# KiCad board A64-OlinuXino_Rev_G.kicad_pcb (continued)
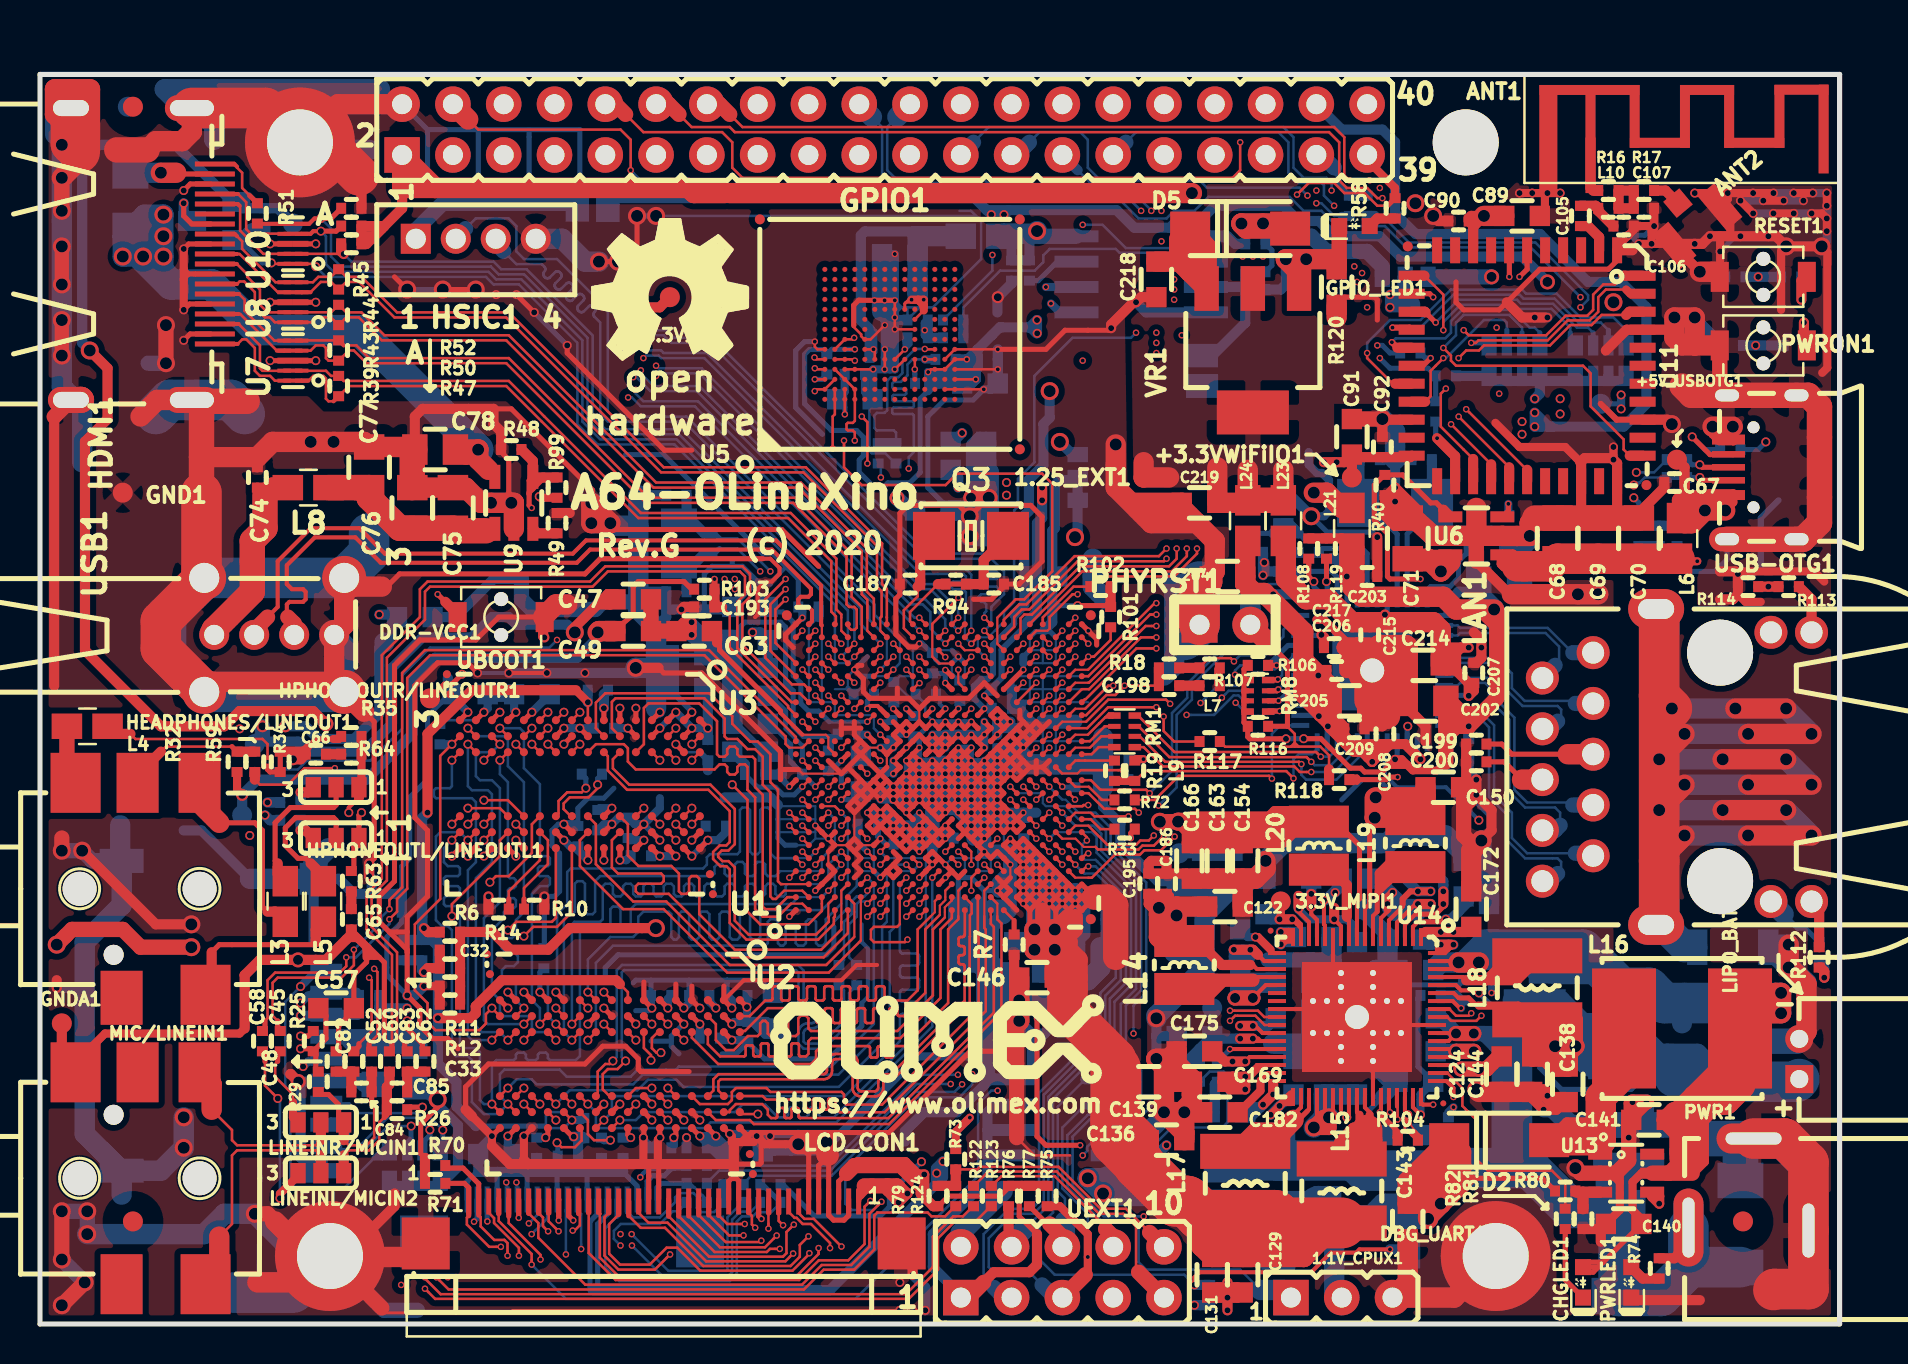
[diagram p0: board, top side]
## Routing (per net, layer and track width the routed paths; a pad name or vN(x,y) marks a point on that pad's centre or on a via; arc(x,y) is an arc through that point) (continued)
  Bottom w0.127: v4(30.81,47.93) 30.94,47.8 33.1,47.8 43.89,37.01 44.65,37.01 45.92,35.74 v4(45.92,35.33) ; v4(23.83,7.08) 23.86,7.05 MIPI-DSI1.6
/Power Supply, Extensions and MiPi-DSI/DSI-D0N: length 113
  Top w0.127: U1.T23 v4(47.22,35.33)
  In2.Cu w0.127: v4(24.45,5.03) 24.27,4.86 22.81,4.86 22.48,4.52 20.19,4.52 16.43,8.29 9.24,8.29 8.36,9.17 8.36,13.49 4.93,16.92 4.93,24.69 2.77,26.85 2.77,40.84 4.78,42.85 15.21,42.85 18.87,46.51 25.2,46.51 28.02,49.33 v4(29.67,49.33)
  Bottom w0.127: v4(24.45,5.03) 24.86,5.45 MIPI-DSI1.8 ; v4(29.67,49.33) 29.79,49.45 31.19,49.45 31.57,49.07 33.48,49.07 44.27,38.28 47.19,38.28 47.32,38.15 47.32,37.77 47.45,37.64 47.83,37.64 47.96,37.52 47.96,37.39 47.83,37.26 47.07,37.26 46.94,37.13 46.94,37.01 47.07,36.88 47.83,36.88 47.96,36.75 47.96,36.63 47.83,36.5 47.07,36.5 46.94,36.37 46.94,36.25 47.07,36.12 47.19,36.12 47.32,35.99 47.32,35.65 47.22,35.56 v4(47.22,35.33)
/Power Supply, Extensions and MiPi-DSI/DSI-D0P: length 113.2
  Top w0.127: U1.T22 v4(47.22,34.67)
  In2.Cu w0.127: v4(24.59,4.5) 24.46,4.62 22.91,4.62 22.58,4.29 20.09,4.29 16.33,8.05 9.07,8.05 8.08,9.04 8.08,13.36 4.65,16.79 4.65,24.56 2.49,26.72 2.49,40.95 4.67,43.13 15.09,43.13 18.75,46.79 25.09,46.79 28.14,49.84 v4(29.67,49.84)
  Bottom w0.127: v4(47.22,34.67) 47.57,35.02 47.57,35.86 48.21,36.5 48.21,37.64 47.32,38.53 44.4,38.53 33.6,49.33 31.7,49.33 31.32,49.71 29.79,49.71 v4(29.67,49.84) ; MIPI-DSI1.9 25.36,5.27 v4(24.59,4.5)
/Power Supply, Extensions and MiPi-DSI/DSI-D1N: length 104.4
  Top w0.127: v4(46.57,34.03) U1.R22
  In2.Cu w0.127: v4(30.18,48.31) 28.4,48.31 25.7,45.62 19.25,45.62 15.6,41.96 5.28,41.96 3.66,40.34 3.66,27.38 5.82,25.22 5.82,17.32 9.12,14.02 9.12,9.55 9.75,8.92 16.56,8.92 20.35,5.13 21.67,5.13
  Bottom w0.107: 46.25,34.35 46.25,35.65
  Bottom w0.127: 46.25,35.65 46.3,35.7 46.3,36.6 46.15,36.75 45.67,36.75 45.54,36.88 45.54,37.01 45.67,37.13 46.18,37.13 46.3,37.26 46.3,37.39 46.18,37.52 44.02,37.52 33.22,48.31 31.06,48.31 30.94,48.44 30.3,48.44 v4(30.18,48.31) ; v4(46.57,34.03) 46.25,34.35
  Bottom w0.254: MIPI-DSI1.2 21.86,5.27 v4(21.71,5.12)
/Power Supply, Extensions and MiPi-DSI/DSI-D1P: length 104.6
  Top w0.127: U1.P22 v4(46.57,34.67)
  In2.Cu w0.127: v4(30.18,48.82) 28.52,48.82 25.6,45.9 19.13,45.9 15.47,42.24 5.18,42.24 3.38,40.44 3.38,27.23 5.54,25.07 5.54,17.2 8.84,13.89 8.84,9.42 9.58,8.69 16.46,8.69 20.38,4.77 22.01,4.77 v4(22.37,5.13)
  Bottom w0.127: v4(30.18,48.82) 30.3,48.69 31.06,48.69 31.19,48.56 33.35,48.56 44.14,37.77 46.28,37.77 46.57,37.48 v4(46.57,34.67)
  Bottom w0.254: MIPI-DSI1.3 22.36,5.14 v4(22.37,5.13)
/Power Supply, Extensions and MiPi-DSI/DSI-D2N: length 108.3
  Top w0.127: v4(45.27,34.03) 45.28,34.03 U1.N22
  In1.Cu w0.203: v4(29.03,4.5) 30.02,5.48 v4(30.02,7.34)
  In2.Cu w0.127: v4(29.67,47.36) 28.87,47.36 26.24,44.73 19.63,44.73 15.98,41.07 5.79,41.07 4.55,39.83 4.55,27.99 6.71,25.83 6.71,17.83 9.86,14.68 9.86,10.21 10.51,9.56 16.68,9.56 20.24,6 28.48,6 29.03,5.45 v4(29.03,4.5)
  Bottom w0.127: v4(45.27,34.03) 44.53,34.78 44.53,35.61 44.15,35.99 43.51,35.99 32.84,46.66 30.52,46.66 29.83,47.36 v4(29.67,47.36)
  Bottom w0.203: v4(30.02,7.34) 30.02,7.39 R126.2
/Power Supply, Extensions and MiPi-DSI/DSI-D2P: length 110.3
  Top w0.127: U1.M22 45.27,34.67 v4(45.27,34.68)
  In2.Cu w0.127: v4(29.03,3.92) 28.68,4.27 28.68,5.47 28.38,5.77 20.14,5.77 16.59,9.32 10.36,9.32 9.58,10.11 9.58,14.55 6.43,17.7 6.43,25.7 4.27,27.86 4.27,39.93 5.69,41.35 15.85,41.35 19.51,45.01 26.11,45.01 28.8,47.7 v4(30.05,47.7)
  Bottom w0.127: v4(45.27,34.68) 45.27,35.25 44.27,36.25 43.64,36.25 32.97,46.91 30.68,46.91 30.05,47.55 v4(30.05,47.7) ; v4(29.03,3.92) 28.7,4.26 28.7,4.66 29.05,5 31.01,5 31.64,5.64 31.91,5.64 32.33,6.06 R130.1
/Power Supply, Extensions and MiPi-DSI/DSI-D3N: length 110.7
  Top w0.127: v4(43.97,34.67) 43.97,34.67 U1.L22
  In2.Cu w0.127: v4(29.6,3.92) 29.92,4.24 29.92,5.33 28.79,6.47 20.59,6.47 16.87,10.19 11.08,10.19 10.62,10.66 10.62,15.44 9.5,16.56 9.5,22.28 7.57,24.21 7.57,26.49 5.44,28.63 5.44,39.32 6.3,40.18 16.33,40.18 18.87,42.72 22.71,42.72 23.83,43.84 26.91,43.84 v4(29.41,46.34)
  Bottom w0.127: v4(29.41,46.34) 29.6,46.34 30.05,45.9 32.75,45.9 v4(43.97,34.67) ; R129.1 35.55,5.62 35.01,5.62 34.61,5.22 34.61,2.6 34.44,2.42 31.11,2.42 v4(29.6,3.92)
/Power Supply, Extensions and MiPi-DSI/DSI-D3P: length 109.8
  Top w0.127: v4(43.97,35.33) 43.97,35.33 U1.L23
  In2.Cu w0.127: v4(29.79,46.72) 29.12,46.72 26.52,44.12 23.7,44.12 22.58,43 18.75,43 16.2,40.46 6.2,40.46 5.16,39.42 5.16,28.5 7.31,26.34 7.31,24.05 9.22,22.15 9.22,16.43 10.34,15.32 10.34,10.54 10.92,9.96 16.77,9.96 20.49,6.23 28.69,6.23 29.59,5.34 v4(29.59,4.5)
  Bottom w0.127: 35.19,6.02 R125.2 35.13,6.08 34.38,5.34 34.38,2.69 34.35,2.66 31.42,2.66 v4(29.59,4.5) ; v4(43.97,35.33) 43.74,35.33 32.91,46.15 30.18,46.15 29.79,46.53 v4(29.79,46.72)
/Power Supply, Extensions and MiPi-DSI/MIPI-DSI-BKL: length 32.7
  Top w0.127: U1.W8 v4(49.82,24.92)
  In2.Cu w0.107: 50.15,24.6 50.15,20.7
  In2.Cu w0.127: v4(49.82,24.92) 50.15,24.6 ; v4(45.54,12) 45.54,12.7 46.14,13.3 47.99,13.3 49.35,14.66 49.99,14.66 50.24,14.91 50.24,17.2 51.51,18.47 51.51,19.99 51.13,20.37 50.48,20.37 50.15,20.7
  Bottom w0.127: v4(45.54,12) 43.85,12 39.52,7.67 33.96,7.67 33.35,7.06 R132.1
/Power Supply, Extensions and MiPi-DSI/MIPI-DSI-EN: length 30.7
  Top w0.127: U1.Y6 v4(50.47,23.62)
  In2.Cu w0.107: 50.47,22.81 50.8,22.48 50.8,20.7
  In2.Cu w0.127: v4(50.47,23.62) 50.47,22.81 ; 50.8,20.7 50.88,20.62 51.26,20.62 51.76,20.12 51.76,18.34 50.5,17.07 50.5,14.78 50.11,14.4 49.48,14.4 48.14,13.06 46.24,13.06 45.91,12.73 v4(45.91,12.46)
  Bottom w0.127: v4(45.91,12.46) 43.98,12.46 39.44,7.92 R128.2
/Power Supply, Extensions and MiPi-DSI/MIPI-DSI-RST: length 29.6
  Top w0.127: U1.AA6 v4(51.12,23.62)
  In2.Cu w0.107: 51.45,20.81 51.45,22.17 50.8,22.82 50.8,23.3
  In2.Cu w0.127: v4(51.12,23.62) 50.8,23.3 ; v4(46.11,11.99) 46.28,12.15 46.28,12.71 46.4,12.83 48.29,12.83 49.61,14.15 50.24,14.15 50.75,14.66 50.75,16.94 52.02,18.21 52.02,20.24 51.45,20.81
  Bottom w0.127: 35.19,7.04 35.57,7.42 39.59,7.42 43.78,11.61 45.73,11.61 v4(46.11,11.99)
/Power Supply, Extensions and MiPi-DSI/PB0: length 95.9
  Top w0.127: 29.29,60.5 30.18,59.61 34.11,59.61 34.62,59.11 34.62,57.84 35.13,57.33 59.64,57.33 60.02,57.71 v4(60.02,59.11) ; U1.V9 v4(48.53,26.22)
  Top w0.762: GPIO1.10 28.78,61.01 29.29,60.5
  In3.Cu w0.107: 51.44,25.9 U1.V9
  In3.Cu w0.127: v4(60.02,59.11) 60.78,59.87 64.59,59.87 65.23,59.23 65.23,57.96 66.24,56.95 66.24,54.41 68.53,52.12 69.78,52.12 72.21,49.69 72.21,47.17 72.09,47.04 72.09,45.52 70.18,43.61 67.27,43.61 64.44,40.78 64.44,39.24 62.79,37.59 62.79,35.84 62.1,35.15 62.1,34.68 60.51,33.09 60.51,29.1 58.99,27.58 54.86,27.58 52.79,25.51 51.83,25.51 51.44,25.9 ; v4(48.53,26.22) U1.V9
/Power Supply, Extensions and MiPi-DSI/PB1: length 91.6
  Top w0.107: 52.43,24.92 51.78,24.92
  Top w0.127: v4(55.7,24.44) 55.45,24.18 55.03,24.18 54.81,23.97 53.38,23.97 52.43,24.92 ; v4(67.13,56.31) 66.88,56.31 66.37,56.82 65.35,56.82 64.97,57.2 64.97,59.11 64.47,59.61 34.75,59.61 34.49,59.87 32.59,59.87 31.95,60.5 ; U1.AB7 51.78,24.92
  Top w0.762: 31.95,60.5 31.44,61.01 GPIO1.12
  In3.Cu w0.127: v4(67.13,56.31) 67.13,54.64 68.89,52.88 70.18,52.88 72.47,50.6 73.23,50.6 73.61,50.22 73.61,45.26 70.69,42.34 67.65,42.34 65.61,40.3 65.61,38.28 66.12,37.77 66.12,37.11 63.53,34.53 63.53,31.05 61.91,29.43 61.91,28.42 57.29,23.8 56.34,23.8 v4(55.7,24.44)
/Power Supply, Extensions and MiPi-DSI/PB2: length 85.6
  Top w0.127: v4(65.48,57.2) 65.23,57.45 65.23,59.36 64.72,59.87 35.13,59.87 34.49,60.5 ; U1.W10 v4(49.18,26.88)
  Top w0.762: 34.49,60.5 33.99,61.01 GPIO1.14
  In3.Cu w0.107: U1.W10 51.6,26.55 51.6,26.56 52.74,26.56 52.75,26.55
  In3.Cu w0.127: v4(49.18,26.88) U1.W10 ; v4(65.48,57.2) 65.99,56.69 65.99,54.28 68.4,51.87 69.67,51.87 71.96,49.58 71.96,47.3 71.83,47.17 71.83,45.64 70.05,43.87 67.2,43.87 64.21,40.88 64.21,39.35 62.56,37.71 62.56,35.94 61.86,35.24 61.86,34.77 60.27,33.19 60.27,29.2 58.89,27.82 54.76,27.82 53.49,26.55 52.75,26.55
/Power Supply, Extensions and MiPi-DSI/PB3: length 86.5
  Top w0.107: 52.78,23.86 52.2,23.86 51.79,24.28 51.12,24.28
  Top w0.127: U1.AA7 51.12,24.28 ; 52.78,23.86 52.91,23.73 54.94,23.73 55.13,23.93 55.71,23.93 v4(56.21,24.43)
  In2.Cu w0.127: 36.53,60.38 37.29,59.61 61.93,59.61 62.43,59.11 62.43,57.77 63.07,57.14 64.78,57.14 65.1,56.82 v4(67,56.82)
  In2.Cu w1.016: GPIO1.16 36.53,60.38
  In3.Cu w0.127: v4(67,56.82) 66.75,56.57 66.75,54.66 68.78,52.63 70.05,52.63 72.34,50.34 73.1,50.34 73.36,50.09 73.36,46.56 73.36,45.34 70.61,42.6 67.58,42.6 65.37,40.39 65.37,38.13 65.86,37.64 65.86,37.21 63.3,34.65 63.3,31.15 61.68,29.52 61.68,28.52 57.21,24.05 56.6,24.05 v4(56.21,24.43)
/Power Supply, Extensions and MiPi-DSI/PB4: length 82
  Top w0.127: U1.W7 v4(49.82,24.28)
  In2.Cu w0.127: 39.19,60.25 39.57,59.87 62.18,59.87 62.69,59.36 62.69,57.85 63.14,57.39 65.04,57.39 65.23,57.58 65.61,57.58 65.99,57.2 v4(66.5,57.2)
  In2.Cu w0.762: GPIO1.18 39.19,60.25
  In3.Cu w0.107: 51.45,25.25 50.8,25.25
  In3.Cu w0.127: v4(49.82,24.28) 50.8,25.25 ; v4(66.5,57.2) 66.5,54.53 68.66,52.37 69.9,52.37 72.45,49.82 72.45,47.03 72.34,46.91 72.34,45.39 70.31,43.36 67.35,43.36 64.67,40.68 64.67,39.12 63.03,37.48 63.03,35.75 62.33,35.05 62.33,34.58 60.74,32.99 60.74,29 59.09,27.35 54.95,27.35 52.86,25.25 51.45,25.25
/Power Supply, Extensions and MiPi-DSI/PE0: length 73
  Top w0.127: U1.AA18 v4(51.12,32.08)
  In2.Cu w0.127: v4(66.37,50.85) 56.46,50.85 53.8,53.52 48.07,53.52 46.29,55.3 38.68,55.3 37.92,56.06 33.86,56.06 33.35,56.57 31.7,56.57 31.32,56.95 24.71,56.95 23.83,57.84
  In2.Cu w1.016: 23.83,57.84 GPIO1.5
  In3.Cu w0.127: v4(51.12,32.08) 52.99,32.08 54.69,33.77 54.69,36.4 55.7,37.41 55.7,39.68 66.37,50.34 v4(66.37,50.85)
/Power Supply, Extensions and MiPi-DSI/PE1: length 61
  Top w0.127: U1.AB23 v4(51.78,35.33)
  In2.Cu w0.127: 26.49,57.71 27,57.2 31.57,57.2 31.95,56.82 33.48,56.82 33.99,56.31 38.05,56.31 38.81,55.55 46.37,55.55 48.17,53.75 53.89,53.75 54.89,52.76 60.53,52.76 v4(61.16,53.39)
  In2.Cu w1.016: 26.36,57.84 26.49,57.71 GPIO1.7
  In3.Cu w0.127: v4(61.16,53.39) 61.16,48.82 53.16,40.82 53.16,38.66 52.15,37.64 52.15,37.26 51.38,36.5 51.38,35.72 v4(51.78,35.33)
/Power Supply, Extensions and MiPi-DSI/PE2: length 59.2
  Top w0.127: U1.AA22 v4(51.12,34.67)
  In2.Cu w0.127: v4(60.15,53.39) 59.64,53.39 59.51,53.26 55.08,53.26 52.28,56.06 39.06,56.06 38.3,56.82 34.37,56.82 33.86,57.33 32.59,57.33 32.08,57.84 32.08,58.98 31.44,59.61 29.41,59.61
  In2.Cu w0.762: GPIO1.9 29.41,59.61
  In3.Cu w0.127: v4(51.12,34.67) 50.88,34.92 50.88,36.65 51.64,37.41 51.64,37.9 52.65,38.91 52.65,41.07 60.66,49.07 60.66,52.88 v4(60.15,53.39)
/Power Supply, Extensions and MiPi-DSI/PE3: length 56.5
  Top w0.127: U1.AA21 v4(51.12,34.03)
  In2.Cu w0.127: 31.57,57.71 32.21,57.07 33.6,57.07 34.11,56.57 38.18,56.57 38.94,55.8 46.44,55.8 48.26,53.99 53.99,53.99 54.97,53.01 60.27,53.01 v4(60.66,53.39)
  In2.Cu w0.508: GPIO1.11 31.57,57.71
  In3.Cu w0.107: 51.45,34.35 51.45,35
  In3.Cu w0.127: v4(51.12,34.03) 51.45,34.35 ; 51.45,35 51.13,35.32 51.13,36.58 51.89,37.34 51.89,37.77 52.91,38.79 52.91,40.95 60.91,48.95 60.91,53.14 v4(60.66,53.39)
/Power Supply, Extensions and MiPi-DSI/PE4: length 62.5
  Top w0.127: U1.AA19 v4(51.12,32.72)
  In2.Cu w0.127: 34.37,57.84 35.13,57.07 38.43,57.07 39.19,56.31 52.36,56.31 55.16,53.52 59.44,53.52 59.82,53.9 63.7,53.9 65.48,52.12 v4(65.86,52.12)
  In2.Cu w0.762: 34.37,57.84 33.73,58.47 GPIO1.13
  In3.Cu w0.127: v4(65.86,52.12) 65.74,51.99 65.74,50.5 55.19,39.95 55.19,37.64 54.18,36.63 54.18,33.98 52.92,32.72 v4(51.12,32.72)
/Power Supply, Extensions and MiPi-DSI/PE5: length 62.7
  Top w0.127: v4(49.82,31.42) U1.W17
  In2.Cu w0.127: v4(66.12,52.57) 65.42,52.57 63.83,54.15 59.74,54.15 59.36,53.77 55.23,53.77 52.44,56.57 39.32,56.57 38.56,57.33 37.41,57.33 36.91,57.84
  In2.Cu w0.762: 36.91,57.84 36.27,58.47 GPIO1.15
  In3.Cu w0.107: 50.8,32.4 51.45,32.4
  In3.Cu w0.127: v4(49.82,31.42) 50.8,32.4 ; 51.45,32.4 52.96,32.4 54.43,33.88 54.43,36.5 55.45,37.52 55.45,39.85 65.99,50.39 65.99,51.19 66.24,51.44 66.24,52.44 v4(66.12,52.57)
/Power Supply, Extensions and MiPi-DSI/PE6: length 43.8
  Top w0.127: v4(49.82,33.38) U1.W20
  In2.Cu w0.127: 39.32,57.58 40.08,56.82 52.51,56.82 55.18,54.15 v4(56.08,54.15)
  In2.Cu w0.762: GPIO1.17 39.32,57.58
  In3.Cu w0.107: 50.15,33.7 50.15,34.47
  In3.Cu w0.127: 50.15,34.47 50.11,34.5 50.11,37.01 50.88,37.77 50.88,39.8 51.89,40.82 51.89,41.47 53.14,42.72 53.14,44.74 56.46,48.06 56.46,50.85 56.08,51.23 56.08,51.61 55.83,51.87 55.83,53.9 v4(56.08,54.15) ; v4(49.82,33.38) 50.15,33.7
/Power Supply, Extensions and MiPi-DSI/PE7: length 55.3
  Top w0.127: U1.Y19 v4(50.47,32.72)
  In2.Cu w0.127: v4(65.73,52.9) 65.48,52.9 63.98,54.41 56.46,54.41 56.27,54.6 55.07,54.6 52.59,57.07 42.37,57.07 41.73,57.71
  In2.Cu w0.762: 41.73,57.71 GPIO1.19
  In3.Cu w0.107: 50.8,33.05 52.2,33.05
  In3.Cu w0.127: 52.2,33.05 52.26,32.99 52.83,32.99 53.92,34.09 53.92,36.75 54.94,37.77 54.94,40.06 65.48,50.6 65.48,52.65 v4(65.73,52.9) ; v4(50.47,32.72) 50.8,33.05
/Power Supply, Extensions and MiPi-DSI/PE8: length 49.8
  Top w0.127: v4(52.43,34.03) U1.AC22
  In2.Cu w0.127: 44.27,57.71 44.65,57.33 62.53,57.33 62.97,56.88 63.64,56.88 v4(63.83,56.69)
  In2.Cu w0.762: GPIO1.21 44.27,57.71
  In3.Cu w0.127: v4(52.43,34.03) 52.7,34.03 53.16,34.49 53.16,37.14 54.18,38.15 54.18,40.38 64.72,50.92 64.72,55.17 64.34,55.55 64.34,56.06 63.83,56.57 v4(63.83,56.69)
/Power Supply, Extensions and MiPi-DSI/PE9: length 56.4
  Top w0.127: U1.Y17 v4(50.47,31.42)
  In3.Cu w0.107: 50.83,31.75 51.29,31.75
  In3.Cu w0.127: 51.29,31.75 53,31.75 54.94,33.69 54.94,36.32 55.96,37.34 55.96,39.55 66.75,50.34 66.75,51.1 66.5,51.36 66.5,53.01 65.48,54.03 65.48,56.19 64.97,56.69 v4(64.59,56.69) ; 50.83,31.75 50.8,31.75 v4(50.47,31.42)
  Bottom w0.127: v4(64.59,56.69) 64.59,57.07 64.34,57.33 63.19,57.33 62.69,57.84 62.69,59.36 62.18,59.87 47.45,59.87 46.69,59.11
  Bottom w0.762: GPIO1.23 46.69,59.11
/Power Supply, Extensions and MiPi-DSI/PE10: length 45.1
  Top w0.127: U1.AB22 v4(51.78,34.67)
  In3.Cu w0.127: v4(63.39,56.44) 63.39,55.74 64.21,54.91 64.21,51.13 53.67,40.59 53.67,38.43 52.65,37.41 52.65,35.55 v4(51.78,34.67)
  Bottom w0.127: 49.48,59.11 49.99,59.61 52.02,59.61 52.4,59.23 52.4,57.84 53.03,57.2 57.99,57.2 58.35,56.84 62.99,56.84 v4(63.39,56.44)
  Bottom w0.762: GPIO1.25 48.84,58.47 49.48,59.11
/Power Supply, Extensions and MiPi-DSI/PE11: length 31.3
  Top w0.127: U1.W21 v4(49.82,34.03)
  In3.Cu w0.127: v4(49.82,34.03) 49.82,37.1 50.62,37.9 50.62,39.89 51.64,40.91 51.64,41.57 52.91,42.84 52.91,44.91 56.21,48.21 56.21,50.72 55.83,51.1 55.83,51.49 55.58,51.74 55.58,55.17 v4(56.08,55.68)
  Bottom w0.127: 51.89,57.71 52.72,56.88 54.88,56.88 v4(56.08,55.68)
  Bottom w0.508: 51.89,57.71 GPIO1.27
/Power Supply, Extensions and MiPi-DSI/PE12: length 43.2
  Top w0.127: v4(51.78,33.38) U1.AB20
  In3.Cu w0.107: 52.1,33.7 52.78,33.7
  In3.Cu w0.127: v4(64.72,55.93) 64.72,55.55 64.97,55.3 64.97,50.81 54.43,40.27 54.43,38.02 53.42,37.01 53.42,34.34 52.78,33.7 ; v4(51.78,33.38) 52.1,33.7
  Bottom w0.127: v4(64.72,55.93) 64.21,56.44 64.21,56.95 64.08,57.07 62.94,57.07 62.43,57.58 62.43,59.11 61.93,59.61 54.81,59.61 54.31,59.11
  Bottom w0.762: GPIO1.29 54.31,59.11
/Power Supply, Extensions and MiPi-DSI/PE13: length 29.5
  Top w0.127: v4(50.47,34.03) U1.Y22
  In3.Cu w0.127: 57.1,57.84 57.48,57.45 57.81,57.45 58.37,56.9 58.37,56.31 57.23,55.17 57.23,53.52 57.1,53.39 57.1,51.1 56.72,50.72 56.72,45.9 52.15,41.33 52.15,40.68 51.13,39.67 51.13,37.64 50.37,36.88 50.37,34.7 50.47,34.59 v4(50.47,34.03)
  In3.Cu w0.762: GPIO1.31 56.46,58.47 57.1,57.84
/Power Supply, Extensions and MiPi-DSI/PE14: length 38.5
  Top w0.127: R101.1 53.54,34.21 52.7,33.38 v4(52.43,33.38) U1.AC20
  In3.Cu w0.127: 65.23,50.71 65.23,50.71 ; 65.23,50.71 65.23,56.06 64.97,56.31 64.47,56.31 64.21,56.57 64.21,56.95 63.83,57.33 60.15,57.33 59.64,57.84 ; 65.23,50.71 54.69,40.16 54.69,37.9 53.67,36.88 53.67,34.21 52.83,33.38 v4(52.43,33.38)
  In3.Cu w0.762: GPIO1.33 59,58.47 59.64,57.84
/Power Supply, Extensions and MiPi-DSI/PE15: length 38.9
  Top w0.127: U1.Y23 50.15,35.34 51.69,36.88 R102.1 53.03,37.39 56.72,37.39 57.86,38.53 v4(57.86,38.79)
  In3.Cu w0.127: 62.05,59.23 62.43,59.61 64.47,59.61 64.97,59.11 64.97,57.07 65.74,56.31 65.74,54.15 66.75,53.14 66.75,51.49 67,51.23 67,50.22 57.86,41.07 v4(57.86,38.79)
  In3.Cu w0.762: GPIO1.35 62.05,59.23
/Power Supply, Extensions and MiPi-DSI/PE16: length 30.3
  Top w0.127: v4(51.78,34.03) U1.AB21
  In3.Cu w0.107: 52.1,34.35 52.66,34.35
  In3.Cu w0.127: v4(51.78,34.03) 52.1,34.35 ; 52.66,34.35 52.91,34.6 52.91,37.26 53.92,38.28 53.92,40.48 64.46,51.02 64.46,55.04 63.83,55.68 v4(63.83,56.06)
  Bottom w0.127: v4(63.83,56.06) 64.08,56.06 64.72,55.42 65.1,55.42
  Bottom w0.406: 65.48,55.42 65.1,55.42
/Power Supply, Extensions and MiPi-DSI/PE16\POWERON: length 3.6
  Bottom w0.254: R65.1 64.97,56.95 64.97,57.39 64.72,57.65
  Bottom w0.508: R28.1 R65.1
  Bottom w0.762: 64.72,57.84 64.08,58.47 GPIO1.37
/Power Supply, Extensions and MiPi-DSI/PE17\GPIO_LED: length 37.6
  Top w0.107: 50.5,34.79 50.38,34.67 49.82,34.67
  Top w0.127: v4(62.86,56.49) 63.45,57.07 64.72,57.07 65.23,56.57 66.24,56.57 66.88,55.93 67.39,55.93 ; v4(51.89,36.5) 51.64,36.5 50.5,35.36 50.5,34.79 ; U1.W22 49.82,34.67
  Top w0.254: 67.39,55.93 R58.1
  Top w0.406: R58.1 67.77,56.82 66.37,58.22 GPIO1.39
  In3.Cu w0.127: v4(51.89,36.5) 52.4,37.01 52.4,37.52 53.42,38.53 53.42,40.69 63.96,51.23 63.96,54.79 62.86,55.88 v4(62.86,56.49)
/Power Supply, Extensions and MiPi-DSI/UEXT-CLK: length 13.7
  Top w0.127: R122.1 46.71,6.91 47.43,7.63 50.84,7.63 52.96,5.51 54.18,5.51 54.81,4.88 54.81,2.72 54.94,2.59
  Top w0.762: 54.94,2.59 UEXT1.9
/Power Supply, Extensions and MiPi-DSI/UEXT-CS: length 13.8
  Top w0.127: R73.2 46.88,7.73 47,7.86 50.94,7.86 53.03,5.77 54.31,5.77 55.49,4.58
  Top w0.508: R79.2 R124.2 ; R73.2 45.8,6.97
  Top w0.762: UEXT1.10 55.49,4.58
/Power Supply, Extensions and MiPi-DSI/UEXT-MISO: length 152.3
  Top w0.762: UEXT1.7 53.67,1.7
  In2.Cu w0.127: v4(47.63,53.47) 46.06,55.04 34.62,55.04 31.93,52.35 27.54,52.35 23.73,48.54 17.39,48.54 14.68,45.83 12.71,45.83 11.74,44.86 3.79,44.86 0.97,42.04 0.97,25.83 3,23.8 3,20.88 1.6,19.48 1.6,9.45 5.92,5.13 8.71,5.13 10.26,6.68 15.85,6.68 17.98,4.55 17.98,2.53 17.73,2.27 17.73,1.51 18.17,1.07 19.95,1.07 21.22,2.34 26.43,2.34 26.68,2.08 30.49,2.08 30.62,2.21 41.78,2.21 42.65,1.34 43.54,1.34 44.69,2.48 52.51,2.48 52.97,2.02
  In2.Cu w0.762: UEXT1.7 52.97,2.02
  Bottom w0.127: v4(47.63,53.47) 47.63,52.68 R121.1
/Power Supply, Extensions and MiPi-DSI/UEXT-MOSI: length 8.1
  Top w0.127: 53.29,4.75 53.29,4.85 50.75,7.39 48.08,7.39 47.6,6.91 R123.2
  Top w0.762: 53.29,4.75 53.67,4.37 UEXT1.8
/S0SA0: length 49.6
  Top w0.127: v3(23,28.2) U3.N3 ; v3(25.8,14.2) U2.N3 ; U1.P5 v4(45.93,23.62)
  In3.Cu w0.107: 44.62,21.67 44.95,22 44.95,23.15 45.1,23.3 45.6,23.3
  In3.Cu w0.127: v3(25.8,14.2) 25.8,12.94 25.98,12.75 26.24,12.75 26.36,12.88 26.36,13.51 26.49,13.64 27.7,13.64 28.04,13.98 29.38,13.98 29.67,13.7 30,13.7 30.5,14.2 31.52,14.2 32.33,13.39 39.83,13.39 44.62,18.18 44.62,21.67 ; 45.6,23.3 v4(45.93,23.62)
  Bottom w0.127: v3(23,28.2) 23,27.5 23.4,27.1 23.4,22.4 23.5,22.3 23.7,22.3 23.8,22.2 23.8,21.9 23.7,21.8 23.5,21.8 23.4,21.7 23.4,21.4 23.5,21.3 23.7,21.3 23.8,21.2 23.8,20.9 23.7,20.8 23.4,20.8 23.2,20.6 23.2,20.3 22.6,19.7 22.6,16.6 23,16.2 23,15.6 23.2,15.4 24.4,15.4 24.6,15.2 24.6,14.8 24.8,14.6 U2.N3 v3(25.8,14.2)
/S0SA1: length 51
  Top w0.107: 46.57,22.33 v4(46.57,21.67)
  Top w0.127: U1.R4 46.57,22.33 ; v3(22.2,25) U3.P7 ; v3(25,11) U2.P7
  In3.Cu w0.127: v3(22.2,25) 21.8,25.4 20.4,25.4 20.2,25.2 20.2,20.1 20.6,19.7 20.6,13.6 23,11.2 23,10.8 23.2,10.6 24.6,10.6 v3(25,11) 25.4,11.4 38.6,11.4 39,11.8 39.4,11.8 39.85,11.35 40.2,11.35 46.57,17.72 v4(46.57,21.67)
/S0SA2: length 50.5
  Top w0.127: U1.N5 v4(45.93,22.97) ; v3(22.2,28.2) U3.P3 ; U2.P3 v3(24.2,14.2)
  In2.Cu w0.127: v3(22.2,28.2) 22.2,27.3 22.6,26.9 22.6,22.6 23,22.2 23,19.7 22.9,19.6 22.4,19.6 22.3,19.5 22.3,19.2 22.4,19.1 23.1,19.1 23.2,19 23.2,18.7 23.1,18.6 22.4,18.6 22.3,18.5 22.3,18.2 22.4,18.1 23.1,18.1 23.2,18 23.2,17.6 22.6,17 22.6,16.5 22.5,16.4 22.2,16.4 22.1,16.3 22.1,15.7 22.5,15.3 22.9,15.3 24,14.2 v3(24.2,14.2)
  In3.Cu w0.107: 45.6,22 45.6,22.65
  In3.Cu w0.127: v3(24.2,14.2) 24.2,13.4 25.25,12.37 29.54,12.37 29.92,12.75 31.47,12.75 31.72,13 40.08,13 45.6,18.52 45.6,22 ; 45.6,22.65 v4(45.93,22.97)
/S0SA3: length 49.4
  Top w0.127: U3.N2 v3(23,29.8) ; v4(45.28,23.62) U1.N6 ; v3(25,15) U2.N2
  In3.Cu w0.107: 44.3,23.3 44.3,20.05
  In3.Cu w0.127: 44.3,20.05 44.3,18.49 39.57,13.77 34.11,13.77 33.99,13.89 33.99,14.66 33.86,14.78 33.64,14.78 33.48,14.62 33.48,14.02 33.35,13.89 32.84,13.89 32.72,14.02 32.72,14.4 32.52,14.6 25.4,14.6 v3(25,15) ; 44.3,23.3 44.62,23.62 v4(45.28,23.62)
  Bottom w0.127: v3(23,29.8) 24,29.8 24.2,29.6 24.2,27.8 25,27 25,23.5 25.1,23.4 25.4,23.4 25.5,23.3 25.5,23 25.4,22.9 25,22.9 24.9,22.8 24.9,22.5 25,22.4 25.4,22.4 25.5,22.3 25.5,22 25.4,21.9 25,21.9 24.6,21.5 24.6,16.2 25,15.8 v3(25,15)
/S0SA4: length 50.7
  Top w0.107: 46.57,23.62 v4(46.57,22.97)
  Top w0.127: U3.P8 v3(22.2,24.2) ; U1.P6 46.57,23.62 ; v3(24.2,11) U2.P8
  In3.Cu w0.107: 46.25,21.03 46.25,22
  In3.Cu w0.127: 24.6,11.4 24.22,11 ; 24.6,11.4 24.88,11.68 29.87,11.68 30.43,12.24 40.59,12.24 46.25,17.9 46.25,21.03 ; 24.6,11.4 24.6,11.4 ; v3(22.2,24.2) 22.9,23.5 22.9,22.5 23,22.4 23.4,22.4 23.5,22.3 23.5,22 23.4,21.9 23,21.9 22.9,21.8 22.9,21.5 23,21.4 23.5,21.4 23.6,21.3 23.6,21 23.5,20.9 22.2,20.9 21.4,20.1 21.4,14 22.3,13.1 23.2,13.1 23.8,12.5 23.8,11.4 v3(24.2,11) ; 46.25,22 46.57,22.33 v4(46.57,22.97)
/S0SA5: length 49.2
  Top w0.127: U2.P2 v3(24.2,15) ; U3.P2 v3(23,29) ; v4(41.38,22.97) U1.G4
  In3.Cu w0.107: 41.05,22.65 41.05,20.07
  In3.Cu w0.127: 41.05,20.07 40.84,19.86 39.32,19.86 39.19,19.74 39.19,19.61 39.32,19.48 40.72,19.48 40.84,19.36 40.84,19.23 40.72,19.1 39.32,19.1 39.19,18.97 39.19,18.85 39.32,18.72 40.72,18.72 40.84,18.59 40.84,18.47 40.72,18.34 40.34,18.34 39.06,17.07 27.13,17.07 27,16.94 27,15.55 26.86,15.4 U2.P2 v3(24.2,15) ; v4(41.38,22.97) 41.05,22.65
  Bottom w0.127: v3(23,29) 22.6,28.6 22,28.6 21.8,28.4 21.8,27.4 22,27.2 22.6,27.2 23,26.8 23,21.1 22.2,20.3 22.2,15.2 22.4,15 v3(24.2,15)
/S0SA6: length 49.4
  Top w0.127: U1.F3 v4(41.38,22.33) ; v3(23.4,11) U2.R8 ; U3.R8 v3(21.4,24.2)
  Bottom w0.107: 41.7,22 41.7,20.05
  Bottom w0.127: v3(21.4,24.2) 21,24.6 20.02,24.6 19.8,24.38 19.8,20.2 20.1,19.9 20.4,19.9 20.6,19.7 20.6,13.6 20.8,13.4 21.4,13.4 21.6,13.2 21.6,11.1 22.2,10.5 22.9,10.5 v3(23.4,11) 23,11.4 23,12.5 23.23,12.73 25.98,12.73 26.34,12.37 29.54,12.37 29.9,12.73 31.8,12.73 31.95,12.88 39.57,12.88 41.7,15 41.7,20.05 ; v4(41.38,22.33) 41.7,22
/S0SA7: length 49.2
  Top w0.127: v3(24.2,15.8) U2.R2 ; v3(21.4,29.8) U3.R2 ; U1.E4 v4(40.07,22.33)
  In3.Cu w0.127: v3(24.2,15.8) 24.6,16.2 24.6,17.84 24.71,17.96 25.54,17.96 25.57,17.95 25.6,17.94 25.62,17.93 25.64,17.91 25.66,17.88 25.67,17.85 25.67,17.82 25.67,17.46 25.68,17.43 25.69,17.4 25.7,17.38 25.73,17.35 25.75,17.34 25.78,17.33 25.81,17.32 26.09,17.32 26.12,17.33 26.15,17.34 26.18,17.35 26.2,17.38 26.21,17.4 26.23,17.43 26.23,17.46 26.23,18.5 26.23,18.53 26.24,18.56 26.26,18.59 26.28,18.61 26.31,18.63 26.34,18.64 26.37,18.64 26.64,18.64 26.67,18.64 26.7,18.63 26.73,18.61 26.75,18.59 26.77,18.56 26.78,18.53 26.78,18.5 26.78,18.1 26.79,18.07 26.8,18.04 26.81,18.01 26.83,17.99 26.86,17.97 26.89,17.96 26.92,17.96 27.2,17.96 27.23,17.96 27.26,17.97 27.28,17.99 27.31,18.01 27.32,18.04 27.33,18.07 27.34,18.1 27.34,18.5 27.34,18.53 27.35,18.56 27.37,18.59 27.39,18.61 27.41,18.63 27.44,18.64 27.47,18.64 27.75,18.64 27.78,18.64 27.81,18.63 27.84,18.61 27.86,18.59 27.88,18.56 27.89,18.53 27.89,18.5 27.89,18.1 27.89,18.07 27.9,18.04 27.92,18.01 27.94,17.99 27.97,17.97 28,17.96 28.03,17.96 28.31,17.96 28.34,17.96 28.37,17.97 28.39,17.99 28.41,18.01 28.43,18.04 28.44,18.07 28.44,18.1 28.44,18.5 28.45,18.53 28.46,18.56 28.47,18.59 28.5,18.61 28.52,18.63 28.55,18.64 28.58,18.64 28.86,18.64 28.89,18.64 28.92,18.63 28.95,18.61 28.97,18.59 28.98,18.56 29,18.53 29,18.5 29,18.1 29,18.07 29.01,18.04 29.03,18.01 29.05,17.99 29.08,17.97 29.11,17.96 29.14,17.96 29.41,17.96 29.44,17.96 29.47,17.97 29.5,17.99 29.52,18.01 29.54,18.04 29.55,18.07 29.55,18.1 29.55,18.5 29.56,18.53 29.57,18.56 29.58,18.59 29.6,18.61 29.63,18.63 29.66,18.64 29.69,18.64 29.97,18.64 30,18.64 30.03,18.63 30.05,18.61 30.08,18.59 30.09,18.56 30.1,18.53 30.11,18.5 30.11,18.1 30.11,18.07 30.12,18.04 30.14,18.01 30.16,17.99 30.18,17.97 30.21,17.96 30.25,17.96 30.52,17.96 30.55,17.96 30.58,17.97 30.61,17.99 30.63,18.01 30.65,18.04 30.66,18.07 30.66,18.1 30.66,18.5 30.66,18.53 30.67,18.56 30.69,18.59 30.71,18.61 30.74,18.63 30.77,18.64 30.8,18.64 31.08,18.64 31.11,18.64 31.14,18.63 31.16,18.61 31.18,18.59 31.2,18.56 31.21,18.53 31.21,18.5 31.21,18.1 31.22,18.07 31.23,18.04 31.24,18.01 31.27,17.99 31.29,17.97 31.32,17.96 31.35,17.96 31.63,17.96 31.66,17.96 31.69,17.97 31.72,17.99 31.74,18.01 31.75,18.04 31.77,18.07 31.77,18.1 31.77,18.5 31.77,18.53 31.78,18.56 31.8,18.59 31.82,18.61 31.85,18.63 31.88,18.64 31.91,18.64 32.18,18.64 32.21,18.64 32.24,18.63 32.27,18.61 32.29,18.59 32.31,18.56 32.32,18.53 32.32,18.5 32.32,18.1 32.33,18.07 32.34,18.04 32.35,18.01 32.37,17.99 32.4,17.97 32.43,17.96 32.46,17.96 35.89,17.96 36.02,18.08 36.02,19.61 36.4,19.99 38.3,19.99 38.94,20.62 39.95,20.62 40.07,20.75 v4(40.07,22.33)
  Bottom w0.127: v3(21.4,29.8) U3.R2 23.2,29.4 23.4,29.2 23.4,27.9 24.2,27.1 24.2,20.6 23.8,20.2 23.8,19.5 23.6,19.3 23.3,19.3 23.1,19.1 23.1,18.8 23.3,18.6 23.7,18.6 23.9,18.4 23.9,18.1 23.7,17.9 23.3,17.9 23.1,17.7 23.1,17.4 23.3,17.2 23.6,17.2 23.8,17 23.8,16.2 v3(24.2,15.8)
